# Altium PCB PCB_Project_Dangrangto.PcbDoc (part 2 of 2)
Units mm, origin at the board's own origin, x right, y up, seen from the top; angles counter-clockwise.
Board outline 121.2 x 86.2 mm, 2 copper layers (Top Layer, Bottom Layer); 163 components, 138 nets, 586 pads, 159 vias.
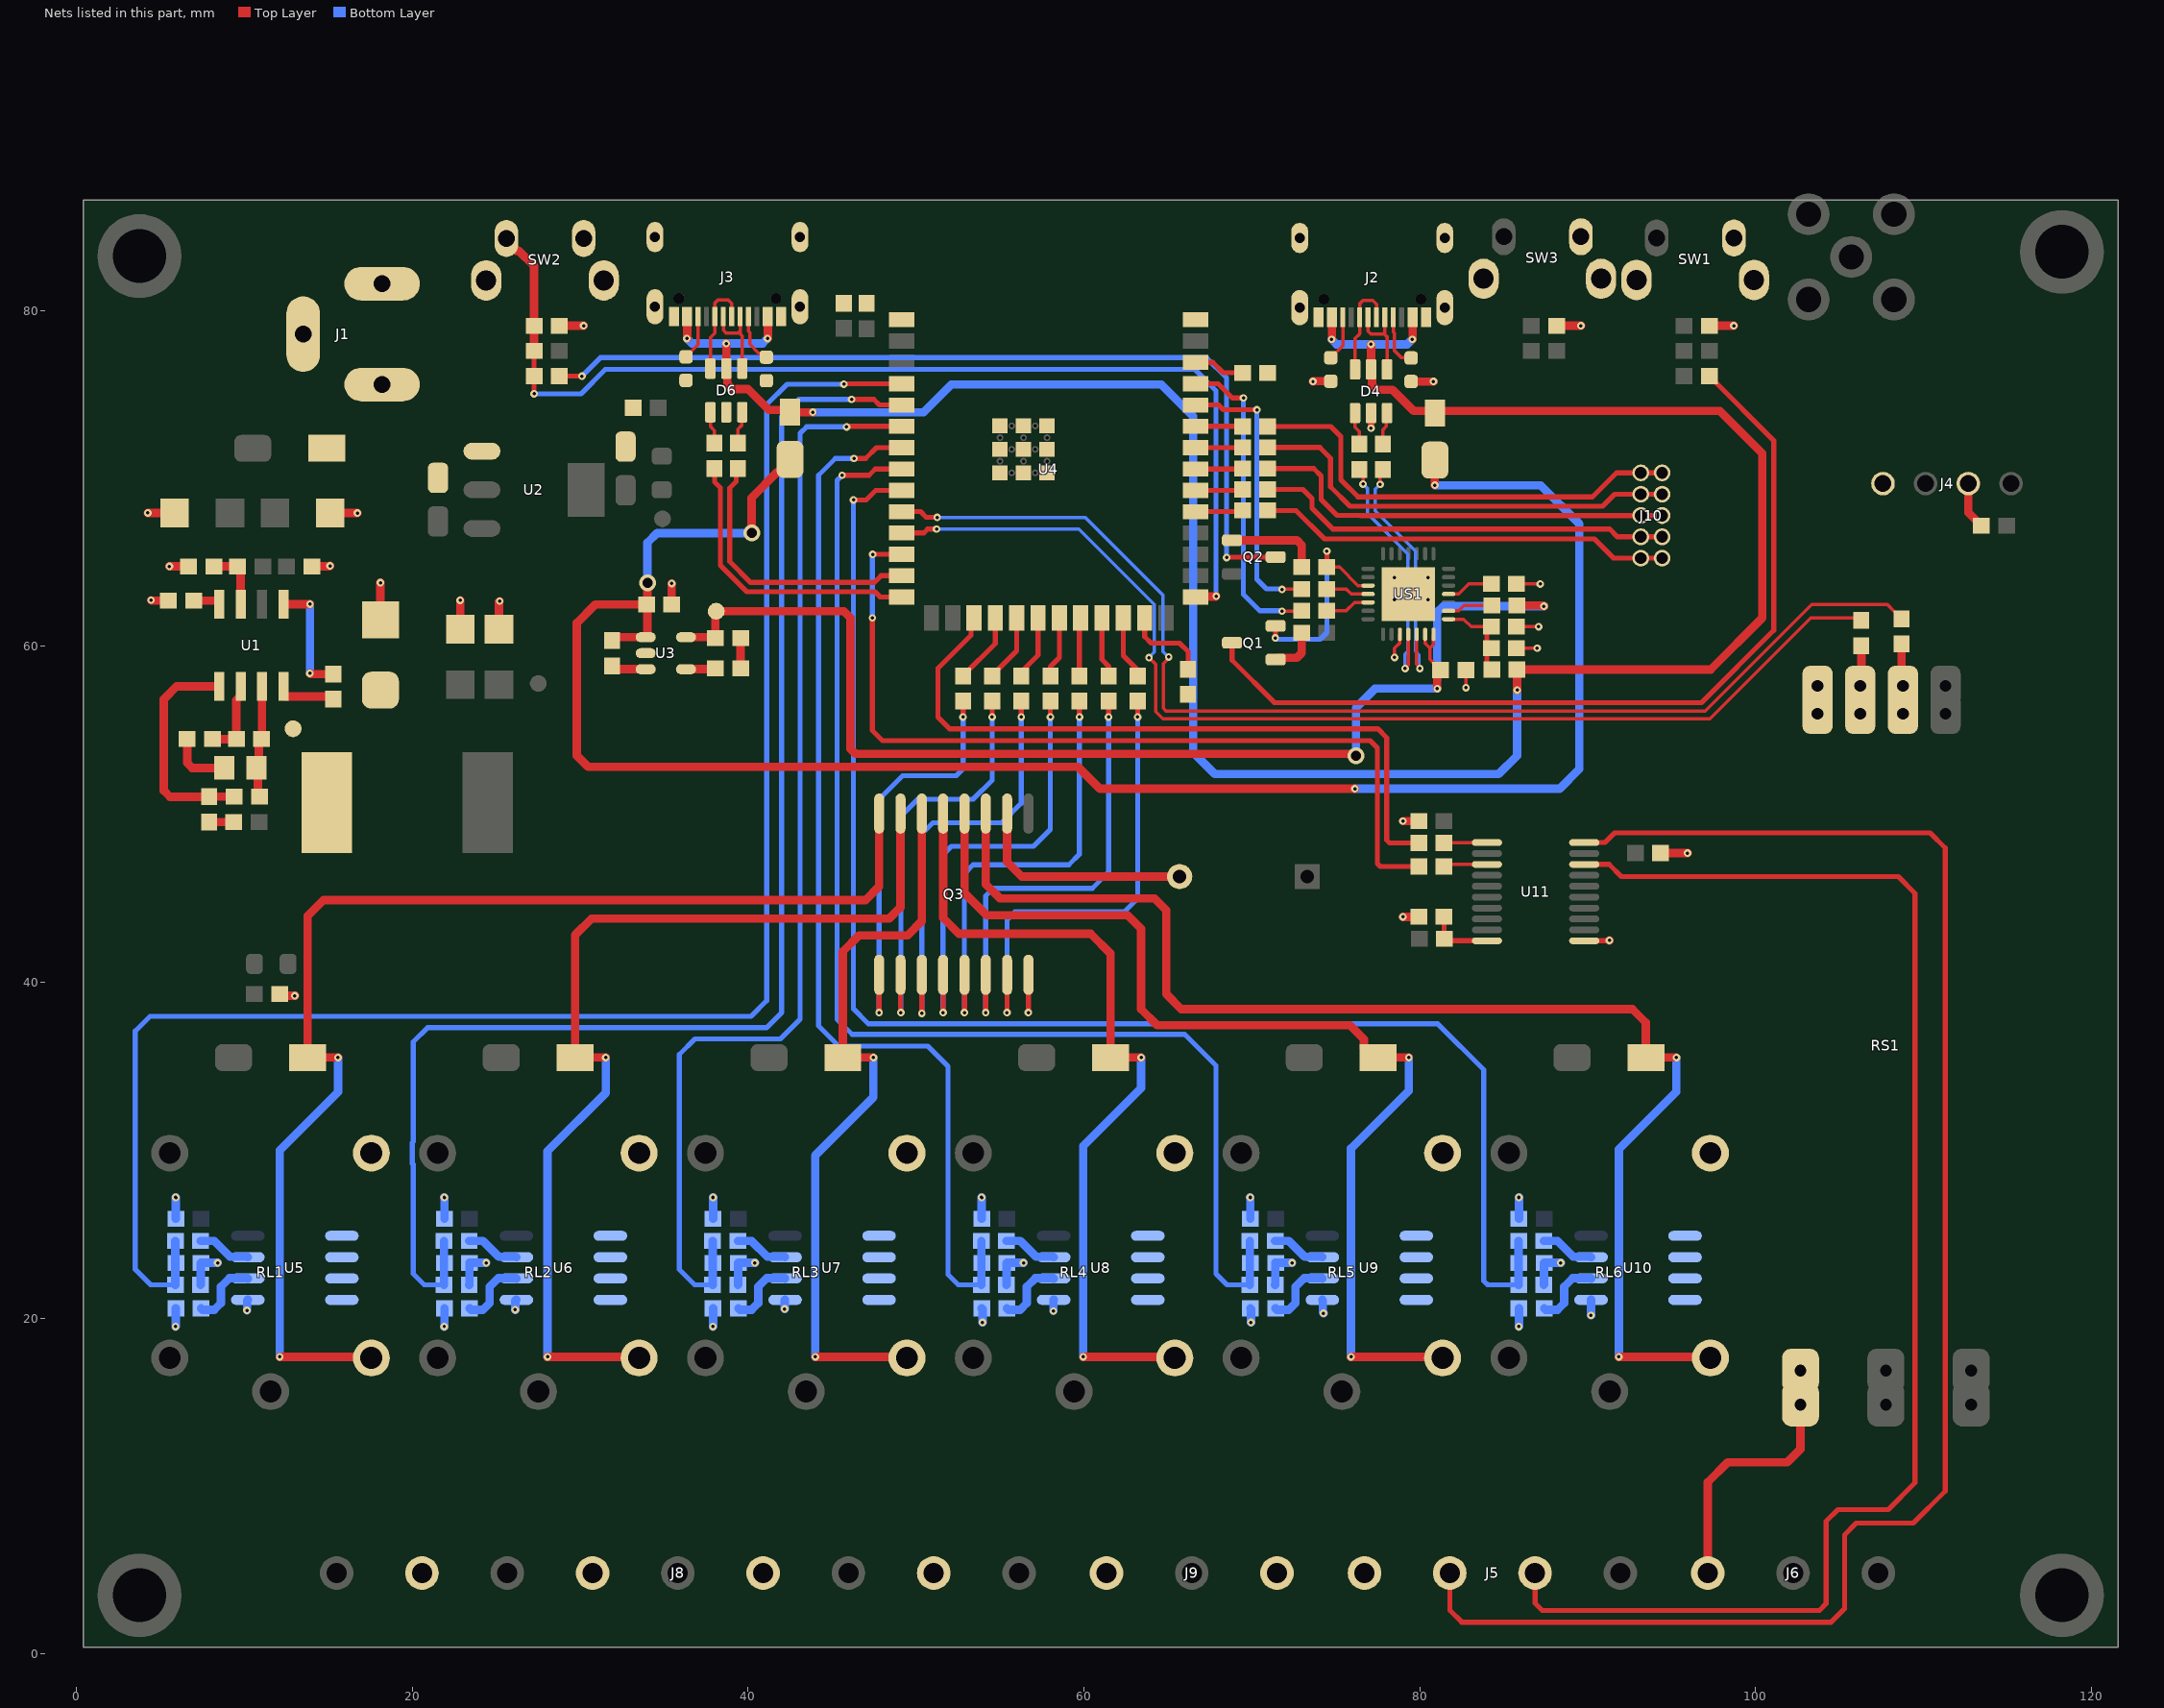
[diagram p2: the nets of this part, all layers, seen from the top]

## Via types
v1: diameter 0.45, hole 0.2, Top Layer to Bottom Layer, 152 vias
v2: diameter 1, hole 0.6, Top Layer to Bottom Layer, 7 vias

## Nets (pads, with @x,y where several pads share a name; then routed paths per layer and width w, separated by ;. In a path a pad name is that pad's centre, name@x,y a point inside that pad or via, vN(x,y) a via of type N, cw(c..) or ccw(c..) an arc to the next point about the centre after c; other vN are vias at no path point) (continued)
GND: C2.2 C3.2 C4.2 C5.2 C6.2 C7.2 C9.2 C10.2 C11.2 C12.2 C13.2 C14.2 C15.2 C16.2 C17.2 C18.2 C19.2 C20.2 C21.2 C22.2 C23.2 C30.2 C31.2 C32.2 C33.2 C34.2 C35.2 C36.2 C37.2 C38.2 C39.2 C40.2 C41.2 C42.2 C43.2 C44.2 C45.2 C46.2 C47.2 C48.2 C49.2 D1.1 D4.2 D6.2 J1.2 J1.3 J2.1 J2.2 J2.3 J2.4 J2.A1B12 J2.B1A12 J3.1 J3.2 J3.3 J3.4 J3.A1B12 J3.B1A12 J4.4 J5.4 Q3.8 R4.1 R5.1 R6.1 R12.2 R13.2 R17.2 R30.2 R31.2 R42.1 R43.1 R46.1 R47.1 R50.1 R51.1 R53.1 R54.2 RS1.1 SW1.2 SW1.MH1 SW1.MH2 SW2.2 SW2.MH1 SW2.MH2 SW3.2 SW3.MH1 SW3.MH2 U1.7 U2.1 U3.2 U4.1 U4.40 U4.41_1 U4.41_2 U4.41_3 U4.41_4 U4.41_5 U4.41_6 U4.41_7 U4.41_8 U4.41_9 U5.5 U6.5 U7.5 U8.5 U9.5 U10.5 U11.11 US1.3 US1.29 | length 76.2
  Top Layer w0.2: v1(78.5,59.35) 78.5,59.9 78.819,60.219 US1.3@78.819,60.726 ; v1(82.75,57.55) C19.2@82.75,58.6 ; C20.2@85.769,59.901 v1(86.999,59.901) ; R17.2@85.769,61.176 v1(87.076,61.176) ; R54.2@85.769,63.726 v1(87.174,63.726)
  Top Layer w0.3: v1(56.69,38.2) 56.695,38.205 Q3.8@56.695,40.45 ; U11.11@89.8,42.475 v1@91.275,42.475
  Top Layer w0.4: v1(77.1,73) D4.2@77.1,73.9
  Top Layer w0.5: v1(4.245,67.955) 4.255,67.945 C5.2@5.843,67.945 ; v1(4.438,62.762) 4.462,62.738 C10.2@5.473,62.738 ; v1(5.53,64.77) R4.1@6.673,64.77 ; R6.1@10.891,51.054 10.798,51.147 10.798,52.673 R5.1@10.706,52.766 10.862,52.922 10.862,54.327 11.049,54.514 U1.7@11.049,57.621 ; C4.2@12.095,39.303 12.198,39.2 v1(13.003,39.2) ; C7.2@14.015,64.77 15.07,64.77 v1(15.1,64.8) ; C6.2@15.112,67.945 v1(16.727,67.945) ; D1.1@18.1,61.6 v1(18.1,63.8) ; C3.2@22.852,61.026 v1(22.852,62.748) ; C2.2@25.165,61.026 25.165,62.665 v1(25.2,62.7) ; C22.2@28.75,79.1 v1(30.2,79.1) ; C14.2@35.45,62.5 v1(35.45,63.75) ; C16.2@39.55,58.7 C15.2@39.55,60.5 ; v1(73.642,75.784) 73.658,75.8 R12.2@74.7,75.8 ; v1(79,43.9) R53.1@79.95,43.9 ; v1(79,49.6) C48.2@79.95,49.6 ; R13.2@79.488,75.781 v1(80.819,75.781) ; C23.2@88.15,79.1 v1(89.6,79.1) ; v1@91.275,42.475 v1(91.3,42.5) ; C49.2@94.35,47.7 v1(95.95,47.7) ; C21.2@97.25,79.1 v1(98.7,79.1)
  Bottom Layer w0.5: v1(5.9,19.5) 5.912,19.512 C34.2@5.912,20.587 ; v1(5.9,27.2) v1(5.912,27.188) C30.2@5.912,25.921 ; C32.2@7.387,21.984 7.399,21.997 7.399,23.284 R42.1@7.412,23.296 8.396,23.296 v1(8.4,23.3) ; v1(10.154,20.466) 10.154,21.049 U5.5@10.2,21.095 ; v1(21.9,19.5) 21.912,19.512 C35.2@21.912,20.587 ; v1(21.9,27.2) v1(21.912,27.188) C31.2@21.912,25.921 ; C33.2@23.387,21.984 23.399,21.997 23.399,23.284 R43.1@23.412,23.296 24.396,23.296 v1(24.4,23.3) ; v1(26.127,20.505) 26.127,21.049 26.173,21.095 U6.5@26.2,21.095 ; v1(37.9,19.5) 37.912,19.512 C40.2@37.912,20.587 ; v1(37.9,27.2) v1(37.912,27.188) C36.2@37.912,25.921 ; C38.2@39.387,21.984 39.399,21.997 39.399,23.284 R46.1@39.412,23.296 40.396,23.296 v1(40.4,23.3) ; v1(42.176,20.549) 42.176,21.071 U7.5@42.2,21.095 ; v1(53.9,27.2) v1(53.912,27.188) C37.2@53.912,25.921 ; C41.2@53.912,20.587 53.962,20.537 v1(53.962,19.753) ; C39.2@55.387,21.984 55.399,21.997 55.399,23.284 R47.1@55.412,23.296 56.396,23.296 v1(56.4,23.3) ; v1(58.184,20.427) 58.184,21.079 U8.5@58.2,21.095 ; v1(69.9,27.2) v1(69.912,27.188) C42.2@69.912,25.921 ; C46.2@69.912,20.587 69.951,20.548 v1(69.951,19.753) ; C44.2@71.387,21.984 71.399,21.997 71.399,23.284 R50.1@71.412,23.296 72.396,23.296 v1(72.4,23.3) ; U9.5@74.2,21.095 74.2,21.072 74.223,21.049 74.223,20.338 v1(74.266,20.295) ; v1(85.9,19.5) 85.912,19.512 C47.2@85.912,20.587 ; v1(85.9,27.2) v1(85.912,27.188) C43.2@85.912,25.921 ; C45.2@87.387,21.984 87.399,21.997 87.399,23.284 R51.1@87.412,23.296 88.396,23.296 v1(88.4,23.3) ; v1(90.199,20.172) 90.2,20.173 U10.5@90.2,21.095
  other v1: 78.5,62.8 80.5,62.8 78.5,64.1 80.5,64.1
GPIO0: C22.1 R24.2 R26.1 SW2.1 U4.27 | length 64.8
  Top Layer w0.3: v1(27.25,75.05) R24.2@27.25,76.1 ; R24.2@27.25,76.55 R26.1@27.25,77.6
  Top Layer w0.5: SW2.1@25.6,84.3 25.6,84.144 26.169,83.575 26.325,83.575 27.25,82.65 C22.1@27.25,79.1 R26.1@27.25,77.6 ; U4.27@66.65,62.95 66.677,62.977 67.857,62.977 v1(67.88,63)
  Bottom Layer w0.3: v1(27.25,75.05) 30.05,75.05 31.5,76.5 66.6,76.5 67.865,75.235 67.865,63.014 v1(67.88,63)
GROUND: J6.3 RS1.7 | length 14.4
  Top Layer w0.5: J6.3@97.155,4.826 97.155,10.231 98.343,11.419 101.888,11.419 102.68,12.211 RS1.7@102.68,14.853
IN_BUZZER: R38.2 U4.24 | length 3.8
  Top Layer w0.3: U4.24@62.345,61.7 62.345,59.455 63.2,58.6 R38.2@63.2,58.25
IN_RL1: R32.2 U4.18 | length 4.2
  Top Layer w0.3: R32.2@52.8,58.25 52.8,58.256 54.725,60.181 U4.18@54.725,61.7
IN_RL2: R33.2 U4.19 | length 4.1
  Top Layer w0.3: R33.2@54.533,58.246 54.533,58.29 55.995,59.752 U4.19@55.995,61.7
IN_RL3: R34.2 U4.20 | length 3.9
  Top Layer w0.3: R34.2@56.267,58.246 56.267,58.485 57.265,59.483 U4.20@57.265,61.7
IN_RL4: R35.2 U4.21 | length 3.7
  Top Layer w0.3: R35.2@58,58.246 58,58.8 58.535,59.335 U4.21@58.535,61.7
IN_RL5: R36.2 U4.22 | length 3.5
  Top Layer w0.3: R36.2@59.733,58.246 59.733,61.628 U4.22@59.805,61.7
IN_RL6: R37.2 U4.23 | length 3.6
  Top Layer w0.3: U4.23@61.075,61.7 61.075,59.225 61.467,58.833 R37.2@61.467,58.246
IO2: R55.1
IO38: J10.1 J10.2 R56.2 | length 24.7
  Top Layer w0.3: R56.2@70.95,68.1 72.626,68.1 74.326,66.4 90.4,66.4 91.54,65.26 J10.2@93.165,65.26 J10.1@94.435,65.26
IO39: J10.3 J10.4 R57.2 | length 25
  Top Layer w0.3: R57.2@70.95,69.35 73.037,69.35 73.58,68.806 73.58,68.233 74.814,66.999 91.301,66.999 91.77,66.53 J10.4@93.165,66.53 J10.3@94.435,66.53
IO40: J10.5 J10.6 R58.2 | length 25.5
  Top Layer w0.3: R58.2@70.95,70.6 73.689,70.6 74.134,70.155 74.134,68.75 75.08,67.803 76.486,67.803 76.489,67.8 J10.6@93.165,67.8 J10.5@94.435,67.8
IO41: J10.7 J10.8 R59.2 | length 26.2
  Top Layer w0.3: R59.2@70.95,71.85 74.055,71.85 74.688,71.216 74.688,69.509 75.84,68.357 90.897,68.357 91.609,69.07 J10.8@93.165,69.07 J10.7@94.435,69.07
IO42: J10.9 J10.10 R60.2 | length 27.3
  Top Layer w0.3: R60.2@70.95,73.1 74.707,73.1 75.3,72.507 75.3,69.934 76.323,68.911 90.295,68.911 91.724,70.34 J10.10@93.165,70.34 J10.9@94.435,70.34
IO48: R61.2
NetC1_1: C1.1 D1.2 L1.1 TP1.1 U1.8 | length 3.6
  Top Layer w0.5: U1.8@12.319,57.621 12.319,57.071 12.369,57.021 15.132,57.021 C1.1@15.294,56.859
NetC1_2: C1.2 U1.1 | length 7.1
  Top Layer w0.5: U1.1@12.319,62.521 13.899,62.521 v1(13.902,62.524) ; v1(13.9,58.4) 13.941,58.359 C1.2@15.294,58.359 C1.2@15.284,58.369
  Bottom Layer w0.5: v1(13.9,58.4) v1@13.9,62.524
NetC8_1: C8.1 C9.1 U1.6 | length 4.7
  Top Layer w0.5: C8.1@8.097,54.483 C9.1@9.518,54.483 9.518,56.81 9.779,57.071 U1.6@9.779,57.621
NetC8_2: C8.2 R5.2 | length 3.8
  Top Layer w0.5: C8.2@6.597,54.483 6.597,53.059 6.89,52.766 R5.2@8.806,52.766
NetC10_1: C10.1 U1.4 | length 1.7
  Top Layer w0.5: C10.1@6.973,62.738 8.459,62.738 8.509,62.688 U1.4@8.509,62.521
NetC16_1: C16.1 U3.4 | length 1.8
  Top Layer w0.5: U3.4@36.3,58.65 38,58.65 C16.1@38.05,58.7
NetC20_1: C20.1 R16.2 R17.1 US1.8 | length 5.6
  Top Layer w0.2: US1.8@81.719,61.626 82.619,61.626 83.069,61.176 R17.1@84.082,61.176
  Top Layer w0.3: R17.1@84.269,61.176 83.995,60.901 83.995,60.176 C20.1@84.269,59.901 83.995,59.626 83.995,58.926 R16.2@84.295,58.626
NetC34_1: C34.1 U5.6 | length 4.2
  Bottom Layer w0.5: C34.1@7.412,20.587 7.499,20.5 8.2,20.5 8.6,20.9 8.6,21.868 9.116,22.384 10.181,22.384 U5.6@10.2,22.365
NetC35_1: C35.1 U6.6 | length 4.2
  Bottom Layer w0.5: C35.1@23.412,20.587 23.499,20.5 24.2,20.5 24.6,20.9 24.6,21.868 25.116,22.384 26.181,22.384 U6.6@26.2,22.365
NetC40_1: C40.1 U7.6 | length 4.2
  Bottom Layer w0.5: C40.1@39.412,20.587 39.499,20.5 40.2,20.5 40.6,20.9 40.6,21.868 41.116,22.384 42.181,22.384 U7.6@42.2,22.365
NetC41_1: C41.1 U8.6 | length 4.2
  Bottom Layer w0.5: C41.1@55.412,20.587 55.499,20.5 56.2,20.5 56.6,20.9 56.6,21.868 57.116,22.384 58.181,22.384 U8.6@58.2,22.365
NetC46_1: C46.1 U9.6 | length 4.2
  Bottom Layer w0.5: C46.1@71.412,20.587 71.499,20.5 72.2,20.5 72.6,20.9 72.6,21.868 73.116,22.384 74.181,22.384 U9.6@74.2,22.365
NetC47_1: C47.1 U10.6 | length 4.2
  Bottom Layer w0.5: C47.1@87.412,20.587 87.499,20.5 88.2,20.5 88.6,20.9 88.6,21.868 89.116,22.384 90.181,22.384 U10.6@90.2,22.365
NetD4_1: D4.1 R8.1 | length 2
  Top Layer w0.2: D4.1@76.15,73.9 76.15,73.05 76.4,72.8 R8.1@76.4,72.05
NetD4_3: D4.3 R9.1 | length 2
  Top Layer w0.2: R9.1@77.8,72.05 77.8,72.9 78.007,73.107 78.007,73.857 D4.3@78.05,73.9
NetD4_4: D4.4 J2.A7 J2.B7 | length 5.1
  Top Layer w0.2: J2.A7@76.923,79.605 76.923,78.777 77.1,78.6 77.8,78.6 77.923,78.723 ; J2.B7@77.923,79.605 77.923,78.723 ; D4.4@78.05,76.5 78.05,78.45 77.923,78.577 77.923,78.723
NetD4_6: D4.6 J2.A6 J2.B6 | length 6
  Top Layer w0.2: D4.6@76.15,76.5 76.15,78.35 76.423,78.623 J2.B6@76.423,79.605 76.423,80.397 76.419,80.401 76.617,80.6 77.2,80.6 77.423,80.377 J2.A6@77.423,79.605
NetD6_1: D6.1 R28.1 | length 2
  Top Layer w0.2: D6.1@37.75,73.95 37.75,73.1 38,72.85 R28.1@38,72.1
NetD6_3: D6.3 R29.1 | length 2
  Top Layer w0.2: R29.1@39.4,72.1 39.4,72.95 39.607,73.157 39.607,73.907 D6.3@39.65,73.95
NetD6_4: D6.4 J3.A7 J3.B7 | length 5.1
  Top Layer w0.2: J3.A7@38.523,79.655 38.523,78.827 38.7,78.65 39.4,78.65 39.523,78.773 ; J3.B7@39.523,79.655 39.523,78.773 ; D6.4@39.65,76.55 39.65,78.5 39.523,78.627 39.523,78.773
NetD6_6: D6.6 J3.A6 J3.B6 | length 6
  Top Layer w0.2: D6.6@37.75,76.55 37.75,78.4 38.023,78.673 J3.B6@38.023,79.655 38.023,80.447 38.019,80.451 38.217,80.65 38.8,80.65 39.023,80.427 J3.A6@39.023,79.655
NetJ2_A5: J2.A5 R13.1 | length 3.2
  Top Layer w0.2: J2.A5@78.423,79.605 78.423,78.719 78.504,78.638 78.504,77.596 78.905,77.195 79.474,77.195 R13.1@79.488,77.181
NetJ2_B5: J2.B5 R12.1 | length 2.7
  Top Layer w0.2: R12.1@74.7,77.2 75.423,77.923 J2.B5@75.423,79.605
NetJ3_A5: J3.A5 R31.1 | length 3
  Top Layer w0.2: J3.A5@40.023,79.655 40.023,78.769 40.104,78.688 40.104,77.996 40.631,77.469 40.85,77.469 R31.1@41.088,77.231
NetJ3_B5: J3.B5 R30.1 | length 2.7
  Top Layer w0.2: R30.1@36.3,77.25 37.023,77.973 J3.B5@37.023,79.655
NetQ1_1: Q1.1 R21.1 | length 2.9
  Top Layer w0.5: Q1.1@71.419,59.226 71.519,59.326 72.676,59.326 72.969,59.619 R21.1@72.969,60.826
NetQ1_3: Q1.3 R20.1 | length 52.9
  Top Layer w0.3: Q1.3@68.819,60.226 68.819,59.181 71.346,56.654 96.776,56.654 101.082,60.96 101.082,72.268 R20.1@97.25,76.1
NetQ2_1: Q2.1 R22.1 | length 5.6
  Top Layer w0.5: Q2.1@68.819,66.326 72.676,66.326 72.969,66.033 R22.1@72.969,64.726
NetQ2_3: Q2.3 R24.1 | length 54.3
  Top Layer w0.3: R24.1@28.75,76.1 v1(30.1,76.1) ; v1(68.5,65.3) 68.526,65.326 Q2.3@71.419,65.326
  Bottom Layer w0.3: v1(30.1,76.1) 31.2,77.2 67.3,77.2 68.5,76 v1(68.5,65.3)
NetQ3_1: Q3.1 R32.1 | length 24.7
  Top Layer w0.3: v1(47.8,38.2) 47.805,38.205 Q3.1@47.805,40.45 ; v1(52.8,55.8) R32.1@52.8,56.75
  Bottom Layer w0.3: v1(47.8,38.2) 47.8,50.9 49.2,52.3 52.4,52.3 52.8,52.7 v1(52.8,55.8)
NetQ3_2: Q3.2 R33.1 | length 25
  Top Layer w0.3: Q3.2@49.075,40.45 49.075,38.225 v1(49.1,38.2) ; v1(54.533,55.796) R33.1@54.533,56.746
  Bottom Layer w0.3: v1(49.1,38.2) 49.1,49.9 50.1,50.9 53.4,50.9 54.533,52.033 v1(54.533,55.796)
NetQ3_3: Q3.3 R34.1 | length 25.7
  Top Layer w0.3: v1(50.345,38.155) Q3.3@50.345,40.45 ; v1(56.267,55.796) R34.1@56.267,56.746
  Bottom Layer w0.3: v1(50.345,38.155) 50.345,48.845 51,49.5 55.1,49.5 56.267,50.667 v1(56.267,55.796)
NetQ3_4: Q3.4 R35.1 | length 26.3
  Top Layer w0.3: v1(51.61,38.2) 51.615,38.205 Q3.4@51.615,40.45 ; v1(58,55.796) R35.1@58,56.746
  Bottom Layer w0.3: v1(51.61,38.2) 51.61,47.61 52.1,48.1 57,48.1 58,49.1 v1(58,55.796)
NetQ3_5: Q3.5 R36.1 | length 27
  Top Layer w0.3: v1(52.88,38.2) 52.885,38.205 Q3.5@52.885,40.45 ; v1(59.733,55.796) R36.1@59.733,56.746
  Bottom Layer w0.3: v1(52.88,38.2) 52.88,46.48 53.4,47 59.1,47 59.733,47.633 v1(59.733,55.796)
NetQ3_6: Q3.6 R37.1 | length 27.3
  Top Layer w0.3: v1(54.15,38.2) 54.155,38.205 Q3.6@54.155,40.45 ; v1(61.467,55.796) R37.1@61.467,56.746
  Bottom Layer w0.3: v1(54.15,38.2) 54.15,45.15 54.6,45.6 60.5,45.6 61.467,46.567 v1(61.467,55.796)
NetQ3_7: Q3.7 R38.1 | length 27.8
  Top Layer w0.3: v1(55.42,38.2) 55.425,38.205 Q3.7@55.425,40.45 ; v1(63.2,55.8) R38.1@63.2,56.75
  Bottom Layer w0.3: v1(55.42,38.2) 55.42,43.72 55.9,44.2 62.4,44.2 63.2,45 v1(63.2,55.8)
NetR1_1: R1.1 R2.2 | length 1.5
  Top Layer w0.5: R2.2@7.9,49.55 7.901,49.549 9.366,49.549 R1.1@9.367,49.547
NetR2_1: R2.1 R6.2 U1.5 | length 13.4
  Top Layer w0.5: U1.5@8.509,57.621 5.948,57.621 5.202,56.874 5.202,51.416 5.567,51.05 R2.1@7.9,51.05 7.904,51.054 R6.2@9.391,51.054
NetR3_1: R3.1 R4.2 U1.3 | length 3.7
  Top Layer w0.5: R4.2@8.173,64.77 R3.1@9.594,64.77 9.779,64.585 U1.3@9.779,62.521
NetR7_1: R7.1 U3.3 | length 2.1
  Top Layer w0.5: R7.1@31.9,58.85 32.1,58.65 U3.3@33.9,58.65
NetR10_1: R10.1 U4.10 | length 71.7
  Top Layer w0.2: v1(65.045,59.378) 65.045,59.31 64.722,58.986 64.722,56.318 64.89,56.15 97.001,56.15 103.352,62.502 107.848,62.502 108.3,62.05 108.325,62.05 R10.1@108.7,61.675
  Top Layer w0.3: U4.10@49.15,68.03 50.27,68.03 50.606,67.694 v1(51.26,67.694)
  Bottom Layer w0.2: v1(51.26,67.694) 60.07,67.694 64.7,63.063 64.7,59.702 65.025,59.378 v1(65.045,59.378)
NetR11_1: R11.1 U4.11 | length 68.4
  Top Layer w0.2: v1(63.871,59.338) 64.268,58.941 64.268,56.13 64.702,55.696 97.284,55.696 103.288,61.7 106.15,61.7 R11.1@106.3,61.55
  Top Layer w0.3: U4.11@49.15,66.76 50.46,66.76 50.691,66.991 v1(51.224,66.991)
  Bottom Layer w0.2: v1(51.224,66.991) 59.709,66.991 64.2,62.5 64.2,59.667 v1(63.871,59.338)
NetR14_2: R14.2 U4.12 | length 52.2
  Top Layer w0.3: v1(47.4,61.7) 47.4,55 48,54.4 77.049,54.4 77.478,53.971 77.478,47.076 77.654,46.9 R14.2@79.95,46.9 ; v1(47.421,65.485) 47.426,65.49 U4.12@49.15,65.49
  Bottom Layer w0.3: v1(47.4,61.7) 47.4,65.464 v1(47.421,65.485)
NetR15_2: R15.2 U4.17 | length 42.1
  Top Layer w0.3: U4.17@53.455,61.7 53.276,61.521 53.276,60.676 51.3,58.7 51.3,55.8 52,55.1 77.5,55.1 78.032,54.568 78.032,48.476 78.208,48.3 R15.2@79.95,48.3
NetR18_2: R18.2 US1.26 | length 2.7
  Top Layer w0.2: R18.2@74.469,62.126 75.619,62.126 76.119,62.626 US1.26@76.919,62.626
NetR19_2: R19.2 US1.25 | length 2.6
  Top Layer w0.2: R19.2@74.469,63.426 75.619,63.426 75.919,63.126 US1.25@76.919,63.126
NetR23_2: R23.2 US1.9 | length 2.7
  Top Layer w0.2: US1.9@81.719,62.126 82.319,62.126 82.644,62.451 R23.2@84.295,62.451
NetR39_2: R39.2 U5.7 | length 3.2
  Bottom Layer w0.5: R39.2@7.387,24.609 7.395,24.6 8.2,24.6 9.146,23.654 10.181,23.654 U5.7@10.2,23.635
NetR40_2: R40.2 U6.7 | length 3.2
  Bottom Layer w0.5: R40.2@23.387,24.609 23.395,24.6 24.2,24.6 25.146,23.654 26.181,23.654 U6.7@26.2,23.635
NetR44_2: R44.2 U7.7 | length 3.2
  Bottom Layer w0.5: R44.2@39.387,24.609 39.395,24.6 40.2,24.6 41.146,23.654 42.181,23.654 U7.7@42.2,23.635
NetR45_2: R45.2 U8.7 | length 3.2
  Bottom Layer w0.5: R45.2@55.387,24.609 55.395,24.6 56.2,24.6 57.146,23.654 58.181,23.654 U8.7@58.2,23.635
NetR48_2: R48.2 U9.7 | length 3.2
  Bottom Layer w0.5: R48.2@71.387,24.609 71.395,24.6 72.2,24.6 73.146,23.654 74.181,23.654 U9.7@74.2,23.635
NetR49_2: R49.2 U10.7 | length 3.2
  Bottom Layer w0.5: R49.2@87.387,24.609 87.395,24.6 88.2,24.6 89.146,23.654 90.181,23.654 U10.7@90.2,23.635
NetR52_1: R52.1 R53.2 U11.10 | length 3.9
  Top Layer w0.3: R53.2@81.45,43.9 81.45,42.625 R52.1@81.475,42.6 81.6,42.475 U11.10@84,42.475
NetR54_1: R54.1 US1.11 | length 2.8
  Top Layer w0.2: US1.11@81.719,63.126 82.319,63.126 82.919,63.726 R54.1@84.269,63.726
NetR55_2: R55.2 U4.38 | length 3.1
  Top Layer w0.3: U4.38@66.65,76.92 67.68,76.92 68.3,76.3 R55.2@69.45,76.3
NetR56_1: R56.1 U4.31 | length 2.8
  Top Layer w0.3: U4.31@66.65,68.03 69.38,68.03 R56.1@69.45,68.1
NetR57_1: R57.1 U4.32 | length 2.8
  Top Layer w0.3: U4.32@66.65,69.3 69.4,69.3 R57.1@69.45,69.35
NetR58_1: R58.1 U4.33 | length 2.8
  Top Layer w0.3: U4.33@66.65,70.57 69.42,70.57 R58.1@69.45,70.6
NetR59_1: R59.1 U4.34 | length 2.8
  Top Layer w0.3: U4.34@66.65,71.84 R59.1@69.44,71.84
NetR60_1: R60.1 U4.35 | length 2.8
  Top Layer w0.3: U4.35@66.65,73.11 R60.1@69.44,73.11
NetR61_1: R61.1 U4.25 | length 5.1
  Top Layer w0.3: U4.25@63.615,61.7 63.615,60.585 64,60.2 65.7,60.2 66.2,59.7 R61.1@66.2,58.65
NO1+: RL1.3 U5.1 U5.2
NO1-: J8.8 U5.3 U5.4
NO2+: RL2.3 U6.1 U6.2
NO2-: J8.6 U6.3 U6.4
NO3+: RL3.3 U7.1 U7.2
NO3-: J8.4 U7.3 U7.4
NO4+: RL4.3 U8.1 U8.2
NO4-: J8.2 U8.3 U8.4
NO5+: RL5.3 U9.1 U9.2
NO5-: J9.3 U9.3 U9.4
NO6+: RL6.3 U10.1 U10.2
NO6-: J9.1 U10.3 U10.4
OUT_BUZZER: LS1.2 Q3.10 | length 13.5
  Top Layer w0.5: Q3.10@55.425,50.05 55.425,47.175 56.3,46.3 LS1.2@65.7,46.3
OUT_DHT11: J4.2 R41.1 | length 2.8
  Top Layer w0.5: J4.2@112.67,69.7 112.67,67.98 113.2,67.45 113.2,67.425 113.425,67.2 R41.1@113.45,67.2
OUT_RL1: D7.1 Q3.16 RL1.4 | length 74.1
  Top Layer w0.5: v1(12.1,17.7) 17.49,17.7 RL1.4@17.557,17.633 ; v1(15.577,35.523) D7.1@13.757,35.523 13.757,43.957 14.7,44.9 47,44.9 47.805,45.705 Q3.16@47.805,50.05
  Bottom Layer w0.5: v1(12.1,17.7) 12.1,30 15.577,33.477 v1(15.577,35.523)
OUT_RL2: D8.1 Q3.15 RL2.4 | length 59.4
  Top Layer w0.5: v1(28.051,17.7) RL2.4@33.441,17.7 ; v1(31.519,35.523) D8.1@29.699,35.523 29.699,42.816 30.683,43.8 48.4,43.8 49.075,44.475 Q3.15@49.075,50.05
  Bottom Layer w0.5: v1(28.051,17.7) 28.051,29.951 31.519,33.419 v1(31.519,35.523)
OUT_RL3: D9.1 Q3.14 RL3.4 | length 44.6
  Top Layer w0.5: v1(44.002,17.7) RL3.4@49.392,17.7 ; v1(47.461,35.523) D9.1@45.641,35.523 45.641,41.841 46.6,42.8 49.5,42.8 50.345,43.645 Q3.14@50.345,50.05
  Bottom Layer w0.5: v1(44.002,17.7) 44.002,29.702 47.461,33.161 v1(47.461,35.523)
OUT_RL4: D10.1 Q3.13 RL4.4 | length 49.7
  Top Layer w0.5: Q3.13@51.615,50.05 51.615,43.839 52.554,42.9 60.4,42.9 61.583,41.717 D10.1@61.583,35.523 v1(63.404,35.523) ; v1(59.954,17.7) RL4.4@65.344,17.7
  Bottom Layer w0.5: v1(59.954,17.7) 59.954,30.254 63.404,33.704 v1(63.404,35.523)
OUT_RL5: D11.1 Q3.12 RL5.4 | length 63
  Top Layer w0.5: Q3.12@52.885,50.05 52.885,45.315 54.2,44 62.6,44 63.4,43.2 63.4,38.4 64.354,37.446 75.846,37.446 76.676,36.616 76.676,36.073 77.226,35.523 v1(79.346,35.523) ; v1(75.905,17.7) RL5.4@81.295,17.7
  Bottom Layer w0.5: v1(75.905,17.7) 75.905,30.105 79.346,33.546 v1(79.346,35.523)
OUT_RL6: D12.1 Q3.11 RL6.4 | length 78.4
  Top Layer w0.5: Q3.11@54.155,50.05 54.155,45.845 55,45 64.2,45 64.9,44.3 64.9,39.3 65.8,38.4 92.668,38.4 93.468,37.6 D12.1@93.468,35.523 v1(95.288,35.523) ; v1(91.856,17.7) RL6.4@97.246,17.7
  Bottom Layer w0.5: v1(91.856,17.7) 91.856,30.056 95.288,33.488 v1(95.288,35.523)
RTS: Q1.2 R22.2 US1.24 | length 12.8
  Top Layer w0.2: R22.2@74.469,64.726 75.219,64.726 76.319,63.626 US1.24@76.919,63.626
  Top Layer w0.3: v1(71.4,60.505) 71.409,60.514 71.409,61.216 Q1.2@71.419,61.226 ; v1@74.419,65.726 v1(74.469,65.676) R22.2@74.469,64.726
  Bottom Layer w0.3: v1(71.4,60.505) 71.441,60.505 71.516,60.43 74.073,60.43 74.469,60.826 v1(74.469,65.676)
SCL: R15.1 U11.1 | length 2.6
  Top Layer w0.2: R15.1@81.45,48.3 81.475,48.325 U11.1@84,48.325
SCL_5V: J5.3 U11.20 | length 98.2
  Top Layer w0.3: J5.3@81.788,4.826 81.788,2.612 82.5,1.9 104.5,1.9 105.3,2.7 105.3,7.1 106,7.8 109.4,7.8 111.3,9.7 111.3,48 110.4,48.9 91.6,48.9 91.025,48.325 U11.20@89.8,48.325
SDA: R14.1 U11.3 | length 2.6
  Top Layer w0.2: R14.1@81.45,46.9 81.575,47.025 U11.3@84,47.025
SDA_5V: J5.2 U11.18 | length 86.1
  Top Layer w0.3: J5.2@86.868,4.826 86.868,3.032 87.3,2.6 103.8,2.6 104.2,3 104.2,7.9 104.9,8.6 107.9,8.6 109.5,10.2 109.5,45.3 108.5,46.3 92,46.3 91.275,47.025 U11.18@89.8,47.025
U0RXD: R18.1 U4.37 | length 18.8
  Top Layer w0.2: v1(71.8,62.1) 72.943,62.1 R18.1@72.969,62.126
  Top Layer w0.3: U4.37@66.65,75.65 67.993,75.65 68.843,74.8 v1(69.5,74.8)
  Bottom Layer w0.3: v1(69.5,74.8) 69.5,63.1 70.1,62.5 70.471,62.129 71.771,62.129 v1(71.8,62.1)
U0TXD: R19.1 U4.36 | length 16.8
  Top Layer w0.2: v1(71.8,63.4) 71.826,63.426 R19.1@72.969,63.426
  Top Layer w0.3: U4.36@66.65,74.38 68.02,74.38 68.3,74.1 v1(70.3,74.1)
  Bottom Layer w0.3: v1(70.3,74.1) 70.3,64 70.871,63.429 71.771,63.429 v1(71.8,63.4)
U1RXD: R11.2 RS1.2 | length 2.4
  Top Layer w0.5: RS1.2@106.236,57.652 106.3,57.716 R11.2@106.3,60.05
U1TXD: R10.2 RS1.3 | length 2.5
  Top Layer w0.5: R10.2@108.7,60.15 108.7,57.728 RS1.3@108.776,57.652
USB_D+: R28.2 U4.14 | length 17.5
  Top Layer w0.3: R28.2@38,70.6 38,69.8 38.35,69.45 38.35,64.839 39.929,63.26 47.553,63.26 47.863,62.95 U4.14@49.15,62.95
USB_D-: R29.2 U4.13 | length 16.7
  Top Layer w0.3: R29.2@39.4,70.6 39.297,70.497 39.297,69.826 38.904,69.432 38.904,65.068 40.158,63.814 47.514,63.814 47.92,64.22 U4.13@49.15,64.22
USB_DM: R9.2 US1.5 | length 15.3
  Top Layer w0.2: v1(77.639,69.651) 77.639,70.389 R9.2@77.8,70.55 ; US1.5@79.819,60.726 79.81,60.716 79.81,60.406 79.798,60.395 79.798,58.952 80.006,58.744 v1(80.006,58.689)
  Bottom Layer w0.2: v1(77.639,69.651) 77.354,69.366 77.354,68.088 79.754,65.688 79.754,59.714 79.958,59.51 79.958,58.737 v1(80.006,58.689)
USB_DP: R8.2 US1.4 | length 15.3
  Top Layer w0.2: R8.2@76.4,70.55 76.626,70.324 v1(76.626,69.67) ; v1@79.128,58.646 79.128,58.696 79.319,58.888 US1.4@79.319,60.726
  Bottom Layer w0.2: v1(76.626,69.67) 76.9,69.395 76.9,67.9 79.3,65.5 79.3,59.714 79.128,59.542 v1(79.128,58.689)
VBUS: D3.1 D4.5 D5.1 D6.5 J2.A4B9 J2.B4A9 J3.A4B9 J3.B4A9 R16.1 | length 146.2
  Top Layer w0.3: J3.B4A9@36.373,79.655 J3.B4A9@36.442,79.724
  Top Layer w0.5: v1@36.373,78.358 J3.B4A9@36.373,79.655 ; v1(38.7,78.046) D6.5@38.7,76.55 38.76,76.49 38.76,75.63 39.053,75.337 39.977,75.337 41.234,74.08 42.37,74.08 D5.1@42.5,73.95 v1(43.85,73.95) ; v1@41.173,78.358 J3.A4B9@41.173,79.655 ; v1@74.773,78.308 J2.B4A9@74.773,79.605 ; v1(77.1,77.996) D4.5@77.1,76.5 77.16,76.44 77.16,75.58 77.453,75.287 78.377,75.287 79.634,74.03 97.87,74.03 100.4,71.5 100.4,61.7 97.326,58.626 R16.1@85.795,58.626 85.8,58.62 v1(85.8,57.4) ; v1@79.573,78.308 J2.A4B9@79.573,79.605
  Bottom Layer w0.5: v1(36.354,78.339) 36.647,78.046 v1(38.7,78.046) 40.861,78.046 v1(41.154,78.339) ; v1(43.85,73.95) 50.45,73.95 52.1,75.6 64.6,75.6 66.5,73.7 66.5,53.7 67.8,52.4 84.7,52.4 85.8,53.5 v1(85.8,57.4) ; v1(74.754,78.289) 75.047,77.996 v1(77.1,77.996) 79.261,77.996 v1(79.554,78.289)
VCC_3V3: C15.1 C19.1 R23.1 TP4.1 U3.5 US1.6 US1.7 | length 74.6
  Top Layer w0.2: US1.6@80.319,60.726 80.319,60.181 80.6,59.9 ; US1.7@80.819,60.726 80.819,60.119 80.6,59.9 ; C19.1@81.25,58.6 81.225,58.6 80.85,58.975 80.85,59 80.6,59.25 80.6,59.9
  Top Layer w0.5: U3.5@36.3,60.55 38,60.55 C15.1@38.05,60.5 38.05,62.05 TP4.1@38.1,62.1 45.7,62.1 46.1,61.7 46.1,53.893 46.393,53.6 75.743,53.6 75.751,53.592 76.105,53.592 v2(76.2,53.496) ; v1(81.043,57.492) 81.043,58.393 C19.1@81.25,58.6 ; R23.1@85.795,62.451 87.351,62.451 v1(87.4,62.402)
  Bottom Layer w0.5: v2(76.2,53.496) 76.2,56.354 77.339,57.492 v1(81.043,57.492) ; 81.043,57.992 81.043,62.043 81.402,62.402 v1(87.4,62.402)
VCC_5V: C14.1 D3.2 D5.2 R7.2 U3.1 | length 118.9
  Top Layer w0.5: R7.2@31.9,60.35 32.1,60.55 U3.1@33.9,60.55 33.954,60.55 34,60.596 34,62.5 v2(34,63.8) ; C14.1@33.95,62.5 30.9,62.5 29.8,61.4 29.8,53.5 30.471,52.829 59.649,52.829 60.95,51.528 v1(76.133,51.528) ; v2(40.206,66.756) 40.207,68.857 41.743,70.393 41.961,70.393 42.5,70.931 D5.2@42.5,71.15 ; v1(80.9,69.6) D3.2@80.9,71.1
  Bottom Layer w0.5: v2(34,63.8) 34,66.174 34.581,66.756 v2(40.206,66.756) ; v1(76.133,51.528) 88.322,51.528 89.5,52.706 89.5,67.3 87.2,69.6 v1(80.9,69.6)
VIN: D2.1 J1.1
VIOUT1: C32.1 R39.1 R42.2 U4.4 | length 102
  Top Layer w0.3: v1(45.704,75.62) 45.733,75.649 v1@45.839,75.649 ; v1@45.84,75.65 U4.4@49.15,75.65
  Bottom Layer w0.3: C32.1@5.887,21.984 4.416,21.984 3.5,22.9 3.5,37.1 4.381,37.981 40.181,37.981 41.11,38.91 41.11,74.41 42.32,75.62 v1(45.704,75.62)
  Bottom Layer w0.5: C32.1@5.887,21.984 5.887,23.296 R39.1@5.887,24.609
VIOUT2: C33.1 R40.1 R43.2 U4.5 | length 84.5
  Top Layer w0.3: v1(46.158,74.714) 47.486,74.714 47.82,74.38 U4.5@49.15,74.38
  Bottom Layer w0.3: C33.1@21.887,21.984 20.716,21.984 20.054,22.646 20.054,29.16 20.004,29.21 20.004,30.456 20.054,30.506 20.054,36.454 20.898,37.298 41.098,37.298 42,38.2 42,73.7 43.014,74.714 v1(46.158,74.714)
  Bottom Layer w0.5: C33.1@21.887,21.984 21.887,23.296 R40.1@21.887,24.609
VIOUT3: C38.1 R44.1 R46.2 U4.6 | length 67
  Top Layer w0.3: v1(45.865,73.08) 45.905,73.08 45.935,73.11 U4.6@49.15,73.11
  Bottom Layer w0.3: C38.1@37.887,21.984 36.816,21.984 35.9,22.9 35.9,35.7 36.827,36.627 41.927,36.627 43.1,37.8 43.1,72.7 43.48,73.08 v1(45.865,73.08)
  Bottom Layer w0.5: C38.1@37.887,21.984 37.887,23.296 R44.1@37.887,24.609
VIOUT4: C39.1 R45.1 R47.2 U4.7 | length 64.4
  Top Layer w0.3: v1(46.3,71.2) 47,71.2 47.64,71.84 U4.7@49.15,71.84
  Bottom Layer w0.3: v1(46.3,71.2) 45.2,71.2 44.2,70.2 44.2,37.4 45.4,36.2 50.7,36.2 51.9,35 51.9,22.6 52.516,21.984 C39.1@53.887,21.984
  Bottom Layer w0.5: C39.1@53.887,21.984 53.887,23.296 R45.1@53.887,24.609
VIOUT5: C44.1 R48.1 R50.2 U4.8 | length 77.3
  Top Layer w0.3: v1(45.6,70.2) 47.2,70.2 47.57,70.57 U4.8@49.15,70.57
  Bottom Layer w0.3: v1(45.6,70.2) 45.3,69.9 45.3,37.8 46.2,36.9 66,36.9 67.858,35.042 67.858,22.642 68.516,21.984 C44.1@69.887,21.984
  Bottom Layer w0.5: C44.1@69.887,21.984 69.887,23.296 R48.1@69.887,24.609
VIOUT6: C45.1 R49.1 R51.2 U4.9 | length 89.8
  Top Layer w0.3: v1(46.277,68.726) 47.026,68.726 47.6,69.3 U4.9@49.15,69.3
  Bottom Layer w0.3: v1(46.277,68.726) 46.277,38.423 47.174,37.526 81.074,37.526 83.809,34.791 83.809,22.219 84.044,21.984 C45.1@85.887,21.984
  Bottom Layer w0.5: C45.1@85.887,21.984 85.887,23.296 R49.1@85.887,24.609
pads on no net: J2. J2.A8 J2.B8 J3. J3.A8 J3.B8 J4.3 J7.1 J7.2 J7.3 J7.4 J7.5 M1.1 M2.1 M3.1 M4.1 RL1.2 RL2.2 RL3.2 RL4.2 RL5.2 RL6.2 U4.15 U4.16 U4.26 U4.28 U4.29 U4.30 U4.41_10 U4.41_11 U4.41_12 U4.41_13 U4.41_14 U4.41_15 U4.41_16 U4.41_17 U4.41_18 U4.41_19 U4.41_20 U4.41_21 U11.4 U11.5 U11.6 U11.7 U11.8 U11.9 U11.12 U11.13 U11.14 U11.15 U11.16 U11.17 US1.1 US1.2 US1.10 US1.12 US1.13 US1.14 US1.15 US1.16 US1.17 US1.18 US1.19 US1.20 US1.21 US1.22 US1.23 US1.27

## Polygon pours and split planes (outlines as drawn)
GND on Bottom Layer "GND_L02_P002" (solid, remove dead copper, pour order 2): 0,87 122,87 122,0 0,0
GND on Top Layer "GND_L01_P000" (solid, remove dead copper, pour order 0): 0.4,86.6 121.6,86.6 121.6,0.4 0.4,0.4

## Keep-outs
Keep-Out Layer:
  lines w0.2: 48.5,80.5 67.25,80.5 67.25,86.6 48.5,86.6 ; 48.5,80.5 48.5,86.6 ; 48.5,80.5 48.5,86.6 ; 0.4,0.4 121.6,0.4 121.6,86.6 0.4,86.6 0.4,0.4

## Other copper
Top Layer:
  region net 12V: 12,70.1 12.7,69.4 13.1,69 13.1,64.2 13,64.1 11.6,64.1 11.5,64 11.5,61.59 11.41,61.5 10.6,61.5 10.5,61.6 10.5,66.4 10.2,66.7 8,66.7 7.7,67 7.7,72.6 8,72.9 11.8,72.9 12,72.7
  region net VIN: 19.9,70.9 20.8,71.8 20.8,76.3 20.1,77 16.2,77 15.8,76.6 15.8,73.5 15.7,73.4 13.8,73.4 13.5,73.1 13.5,71.1 13.7,70.9
  region net 5V: 20.4,58.7 20.5,58.8 26,58.8 26.3,58.5 26.3,47.8 26.1,47.6 23.1,47.6 22.7,48 22.7,56.1 22.3,56.5 20.6,56.5 20.4,56.7
  region net NetC1_1: 11.9,58.7 12,58.8 13.1,58.8 13.2,58.7 13.2,57.6 13.4,57.4 16.9,57.4 17,57.5 17,58.3 17.2,58.5 19,58.5 19.2,58.3 19.2,47.9 18.8,47.5 12.4,47.5 11.9,48
  region net COM3: 42.5,16.75 42.25,16.5 42.25,16 42,15.75 35.5,15.75 34.75,15 34.75,4 35,3.75 36.75,3.75 37,4 37,13.5 37.25,13.75 43.75,13.75 44.5,14.5 44.5,16.5 44.25,16.75
  region net COM2: 26.25,16.5 26.25,10 26,9.75 24.75,9.75 24.5,9.5 24.5,4.25 25,3.75 26.5,3.75 26.75,4 26.75,7.5 27,7.75 28.5,7.75 28.75,8 28.75,16.5 28.5,16.75 26.5,16.75
  region net COM1: 10.5,9 10.75,8.75 14.25,8.75 14.5,8.5 14.5,4 14.75,3.75 16.25,3.75 16.5,4 16.5,10.5 16.25,10.75 13,10.75 12.75,11 12.75,14.5 12.75,16.5 12.5,16.75 10.75,16.75 10.5,16.5
  region net COM4: 60.5,13.5 60,13 48.5,13 47,11.5 47,4 46.75,3.75 45,3.75 44.75,4 44.75,12.75 47.25,15.25 58,15.25 58.25,15.5 58.25,16.5 58.5,16.75 60.25,16.75 60.5,16.5
  region net COM6: 90.5,17 90.25,16.75 90.25,9.5 89.75,9 66.25,9 65.25,8 65.25,3.75 65.5,3.5 67.25,3.5 67.5,3.75 67.5,6.25 68,6.75 92.25,6.75 92.5,7 92.5,16.75 92.25,17
  region net COM5: 74.5,16.75 74.25,16.5 74.25,12.25 74,12 55.5,12 55,11.5 55,4 55.25,3.75 57,3.75 57.25,4 57.25,9.5 57.5,9.75 76.25,9.75 76.5,10 76.5,16.5 76.25,16.75
Bottom Layer:
  region net NO1-: 13.75,22.75 13.25,22.25 13.25,11 13.5,10.75 19,10.75 19.25,10.5 19.25,3.5 19.537,3.213 21.713,3.213 22,3.5 22,13.25 21.75,13.5 16,13.5 15.75,13.75 15.75,20 16,20.25 16.75,20.25 17,20.5 17,22.5 16.75,22.75
  region net NO3-: 45.75,22.75 45.5,22.5 45.5,13.5 45,13 39.75,13 39.5,12.75 39.5,3.5 39.75,3.25 42,3.25 42.25,3.5 42.25,10.5 42.5,10.75 47.75,10.75 47.961,10.961 47.961,19.992 48.219,20.25 49,20.25 49.25,20.5 49.25,22.5 49,22.75
  region net NO5-: 80.75,22.75 81,22.5 81,20.75 80.75,20.5 79.75,20.5 79.5,20.25 79.5,11 79.25,10.75 68,10.75 67.75,10.5 67.75,7.5 67.25,7 63,7 62.75,6.75 62.75,3.5 62.5,3.25 60.25,3.25 60,3.5 60,8.5 60.5,9 65.25,9 65.5,9.25 65.5,12.75 65.75,13 77,13 77.25,13.25 77.25,22.5 77.5,22.75
  region net NO6-: 93.75,22.75 93.25,22.25 93.25,10.5 92.5,9.75 70.75,9.75 69.75,8.75 69.75,3.5 70,3.25 72.75,3.25 73,3.5 73,7 73.5,7.5 94.826,7.5 95.5,8.174 95.5,20 95.75,20.25 97.25,20.25 97.5,20.5 97.5,22.5 97.25,22.75
  region net NO4-: 61.5,22.75 61.25,22.5 61.25,13.75 60.75,13.25 50.25,13.25 49.75,12.75 49.75,3.5 50,3.25 52,3.25 52.25,3.5 52.25,10.5 52.75,11 63,11 63.5,11.5 63.5,20.5 63.75,20.75 65.5,20.75 65.75,21 65.75,22.5 65.5,22.75
  region net NO2-: 29.75,22.75 29.5,22.5 29.5,3.5 29.75,3.25 31.75,3.25 32,3.5 32,16 32,20.25 32.25,20.5 33,20.5 33.25,20.75 33.25,22.5 33,22.75
  region net NO6+: 94.506,30.75 94.756,31 98.756,31 99.006,30.75 99.006,23.5 98.756,23.25 94.756,23.25 94.506,23.5
  region net NO5+: 78.555,30.75 78.805,31 82.805,31 83.055,30.75 83.055,23.5 82.805,23.25 78.805,23.25 78.555,23.5
  region net NO4+: 62.604,30.75 62.854,31 66.854,31 67.104,30.75 67.104,23.5 66.854,23.25 62.854,23.25 62.604,23.5
  region net NO3+: 46.652,30.75 46.902,31 50.902,31 51.152,30.75 51.152,23.5 50.902,23.25 46.902,23.25 46.652,23.5
  region net NO2+: 30.701,30.75 30.951,31 34.951,31 35.201,30.75 35.201,23.5 34.951,23.25 30.951,23.25 30.701,23.5
  region net NO1+: 14.75,30.75 15,31 19,31 19.25,30.75 19.25,23.5 19,23.25 15,23.25 14.75,23.5

## Silkscreen, mask and mechanical layers (free items; w line width, h text height)
Top Overlay:
  drawing of 48 lines, arcs and shapes, not listed
  text "OUT" at 109.601,71.5 h0.8
  text "3V3" at 112.501,71.5 h0.8
  text "GND" at 104.601,71.4 h0.8
  text "IO38" at 82.005,69.5 h0.7
  text "IO39" at 95.525,68.7 h0.7
  text "IO40" at 95.525,67.367 h0.7
  text "IO41" at 95.525,66.033 h0.7
  text "DHT11" at 105.301,66 h1.2
  text "IO42" at 95.525,64.7 h0.7
  text "DESIGN BY HUYNH MINH DANG" at 21.901,49.781 h1
  text "41900348" at 14.151,47.781 h1.2
  text "COM4" at 41.356,10.5 h1.2
  text "COM1" at 10.683,10.442 h1.2
  text "NO1" at 15.912,10.442 h1.2
  text "COM2" at 20.84,10.442 h1.2
  text "NO2" at 25.969,10.442 h1.2
  text "COM3" at 31.098,10.442 h1.2
  text "NO3" at 36.227,10.442 h1.2
  text "NO4" at 46.485,10.442 h1.2
  text "COM5" at 51.613,10.442 h1.2
  text "NO5" at 56.742,10.442 h1.2
  text "COM6" at 61.871,10.442 h1.2
  text "NO6" at 67,10.442 h1.2
  text "GND" at 71.536,10.442 h1.2
  text "SDA" at 76.857,10.442 h1.2
  text "SCL" at 82.071,10.442 h1.2
  text "5V" at 87.042,10.442 h1.2
  text "GRD" at 92.228,10.442 h1.2
  text "B-" at 97.914,10.442 h1.2
  text "A+" at 102.75,10.442 h1.2

## Text inside footprints (layer, text, board x,y; h text height)
LS1: Top Overlay "+" at 73.9,48.75 h0.8 r180; Top Overlay "-" at 66.25,48.6 h0.8 r180
RL1: Mechanical 2 "1" at 11.957,15.533 h0.8 r90; Mechanical 2 "4" at 17.957,17.333 h0.8 r90; Mechanical 2 "5" at 5.957,17.383 h0.8 r90; Mechanical 2 "NO" at 18.057,27.183 h0.8 r90; Mechanical 2 "NC" at 5.907,27.183 h0.8 r90; Mechanical 2 "3" at 17.957,29.533 h0.8 r90; Mechanical 2 "2" at 5.957,29.533 h0.8 r90; Mechanical 2 "COIL" at 16.357,16.283 h0.8 r90; Mechanical 2 "COIL" at 7.607,16.283 h0.8 r90; Mechanical 2 "COM" at 10.357,14.583 h0.8 r90
RL2: Mechanical 2 "1" at 27.908,15.533 h0.8 r90; Mechanical 2 "4" at 33.908,17.333 h0.8 r90; Mechanical 2 "5" at 21.908,17.383 h0.8 r90; Mechanical 2 "NO" at 34.008,27.183 h0.8 r90; Mechanical 2 "NC" at 21.858,27.183 h0.8 r90; Mechanical 2 "3" at 33.908,29.533 h0.8 r90; Mechanical 2 "2" at 21.908,29.533 h0.8 r90; Mechanical 2 "COIL" at 32.308,16.283 h0.8 r90; Mechanical 2 "COIL" at 23.558,16.283 h0.8 r90; Mechanical 2 "COM" at 26.308,14.583 h0.8 r90
RL3: Mechanical 2 "1" at 43.859,15.533 h0.8 r90; Mechanical 2 "4" at 49.859,17.333 h0.8 r90; Mechanical 2 "5" at 37.859,17.383 h0.8 r90; Mechanical 2 "NO" at 49.959,27.183 h0.8 r90; Mechanical 2 "NC" at 37.809,27.183 h0.8 r90; Mechanical 2 "3" at 49.859,29.533 h0.8 r90; Mechanical 2 "2" at 37.859,29.533 h0.8 r90; Mechanical 2 "COIL" at 48.259,16.283 h0.8 r90; Mechanical 2 "COIL" at 39.509,16.283 h0.8 r90; Mechanical 2 "COM" at 42.259,14.583 h0.8 r90
RL4: Mechanical 2 "1" at 59.811,15.533 h0.8 r90; Mechanical 2 "4" at 65.811,17.333 h0.8 r90; Mechanical 2 "5" at 53.811,17.383 h0.8 r90; Mechanical 2 "NO" at 65.911,27.183 h0.8 r90; Mechanical 2 "NC" at 53.761,27.183 h0.8 r90; Mechanical 2 "3" at 65.811,29.533 h0.8 r90; Mechanical 2 "2" at 53.811,29.533 h0.8 r90; Mechanical 2 "COIL" at 64.211,16.283 h0.8 r90; Mechanical 2 "COIL" at 55.461,16.283 h0.8 r90; Mechanical 2 "COM" at 58.211,14.583 h0.8 r90
RL5: Mechanical 2 "1" at 75.762,15.533 h0.8 r90; Mechanical 2 "4" at 81.762,17.333 h0.8 r90; Mechanical 2 "5" at 69.762,17.383 h0.8 r90; Mechanical 2 "NO" at 81.862,27.183 h0.8 r90; Mechanical 2 "NC" at 69.712,27.183 h0.8 r90; Mechanical 2 "3" at 81.762,29.533 h0.8 r90; Mechanical 2 "2" at 69.762,29.533 h0.8 r90; Mechanical 2 "COIL" at 80.162,16.283 h0.8 r90; Mechanical 2 "COIL" at 71.412,16.283 h0.8 r90; Mechanical 2 "COM" at 74.162,14.583 h0.8 r90
RL6: Mechanical 2 "1" at 91.713,15.533 h0.8 r90; Mechanical 2 "4" at 97.713,17.333 h0.8 r90; Mechanical 2 "5" at 85.713,17.383 h0.8 r90; Mechanical 2 "NO" at 97.813,27.183 h0.8 r90; Mechanical 2 "NC" at 85.663,27.183 h0.8 r90; Mechanical 2 "3" at 97.713,29.533 h0.8 r90; Mechanical 2 "2" at 85.713,29.533 h0.8 r90; Mechanical 2 "COIL" at 96.113,16.283 h0.8 r90; Mechanical 2 "COIL" at 87.363,16.283 h0.8 r90; Mechanical 2 "COM" at 90.113,14.583 h0.8 r90
U4: Mechanical 13 "ANTENNA" at 53.4,83.7 h0.8